# Allegro board FH8858v310_app_board_v1.1.brd
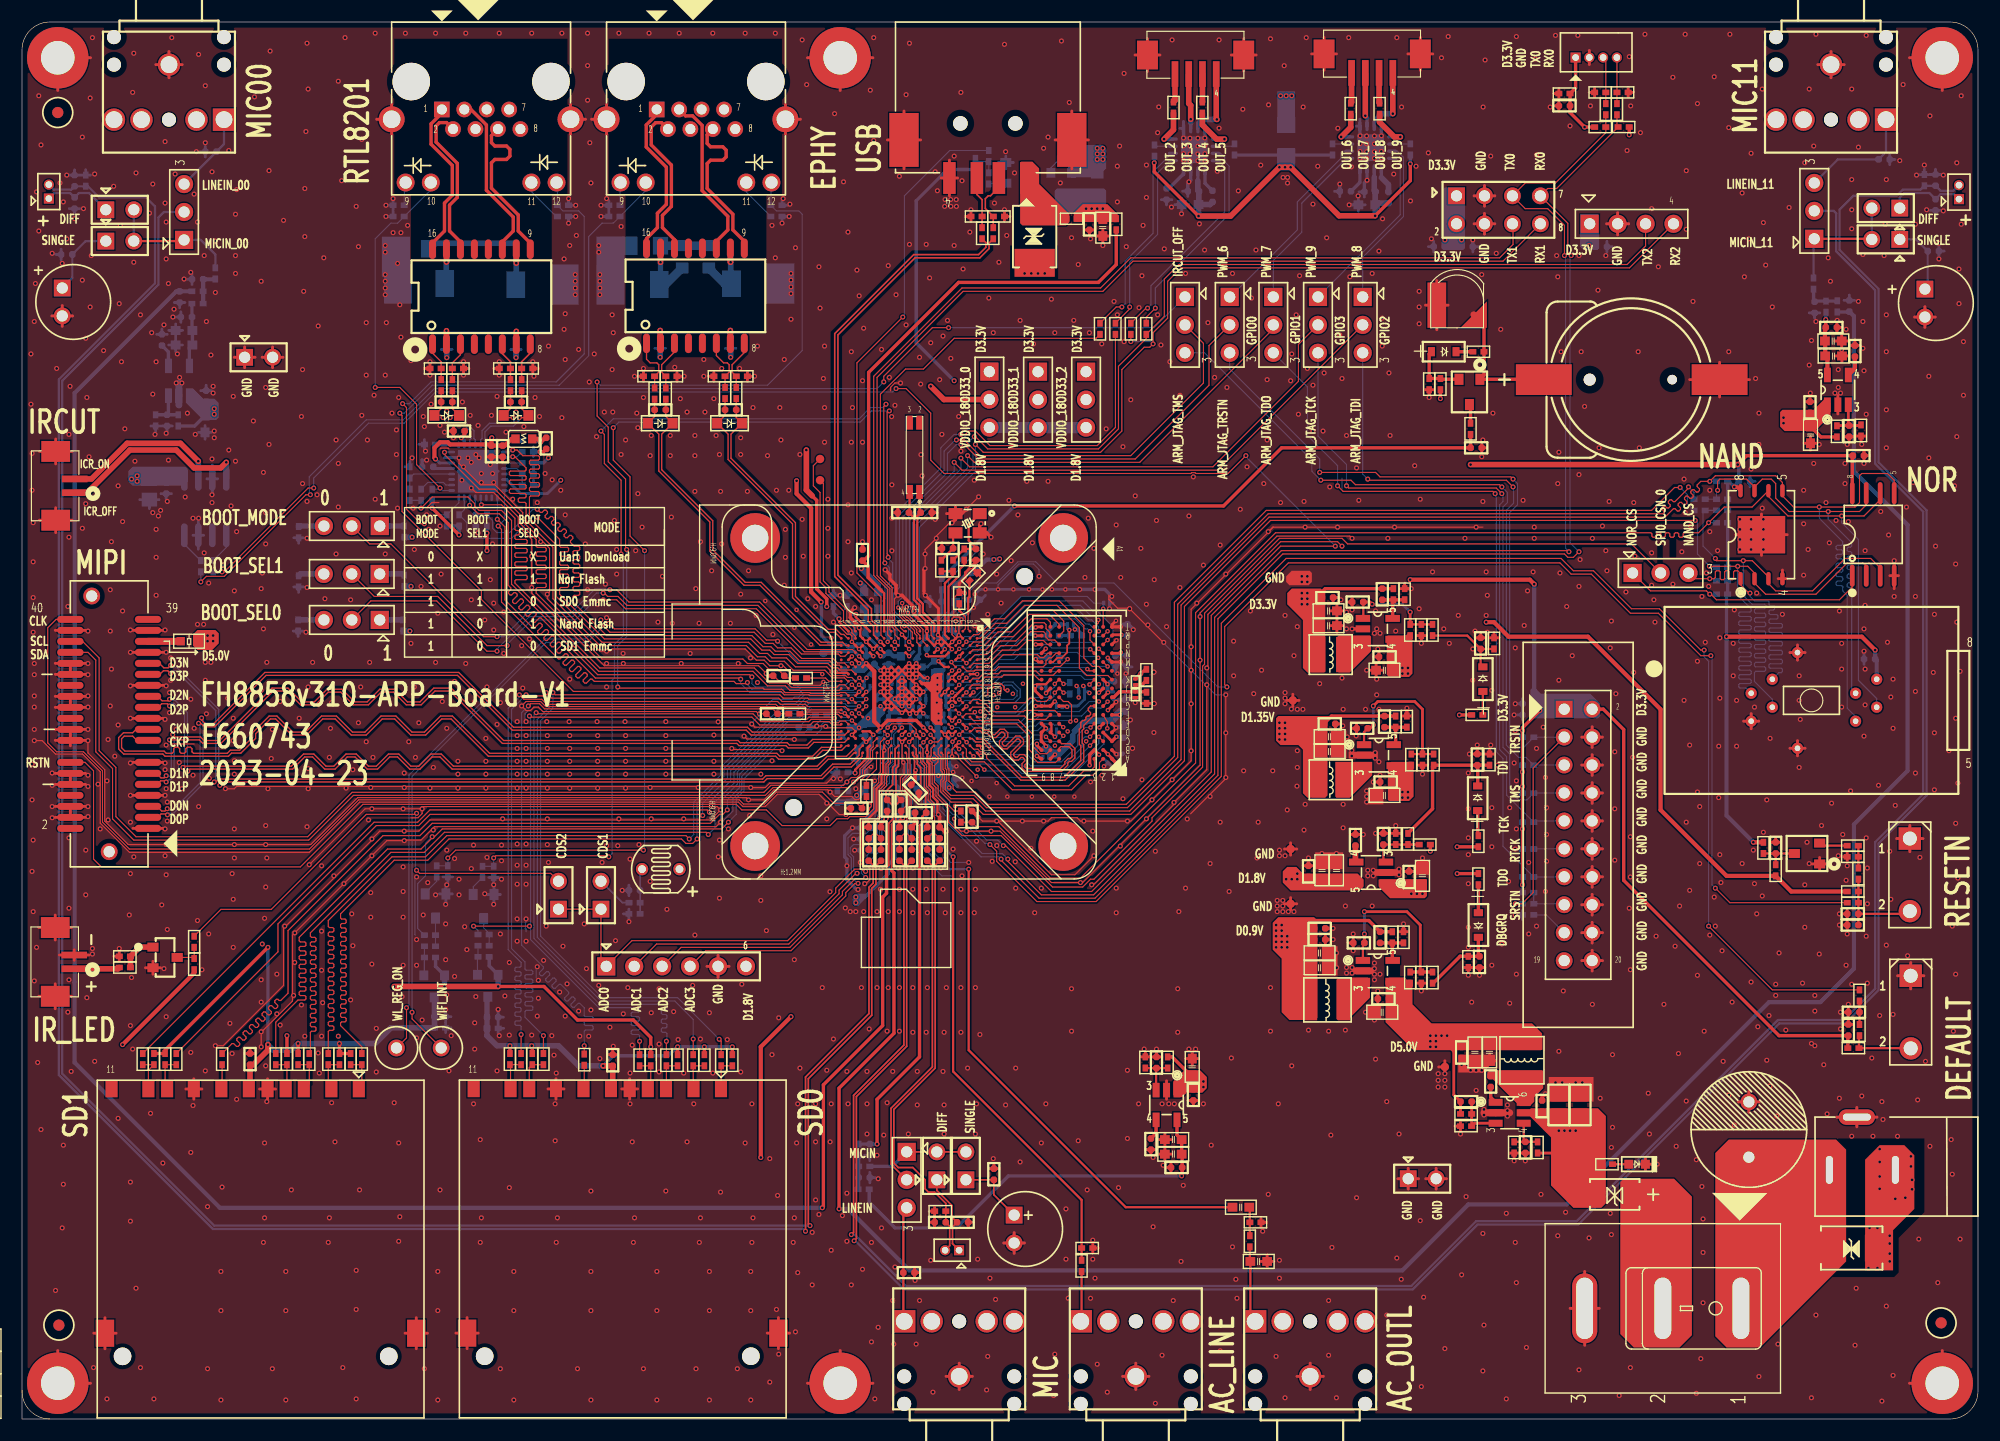
[diagram p0: board, top side]
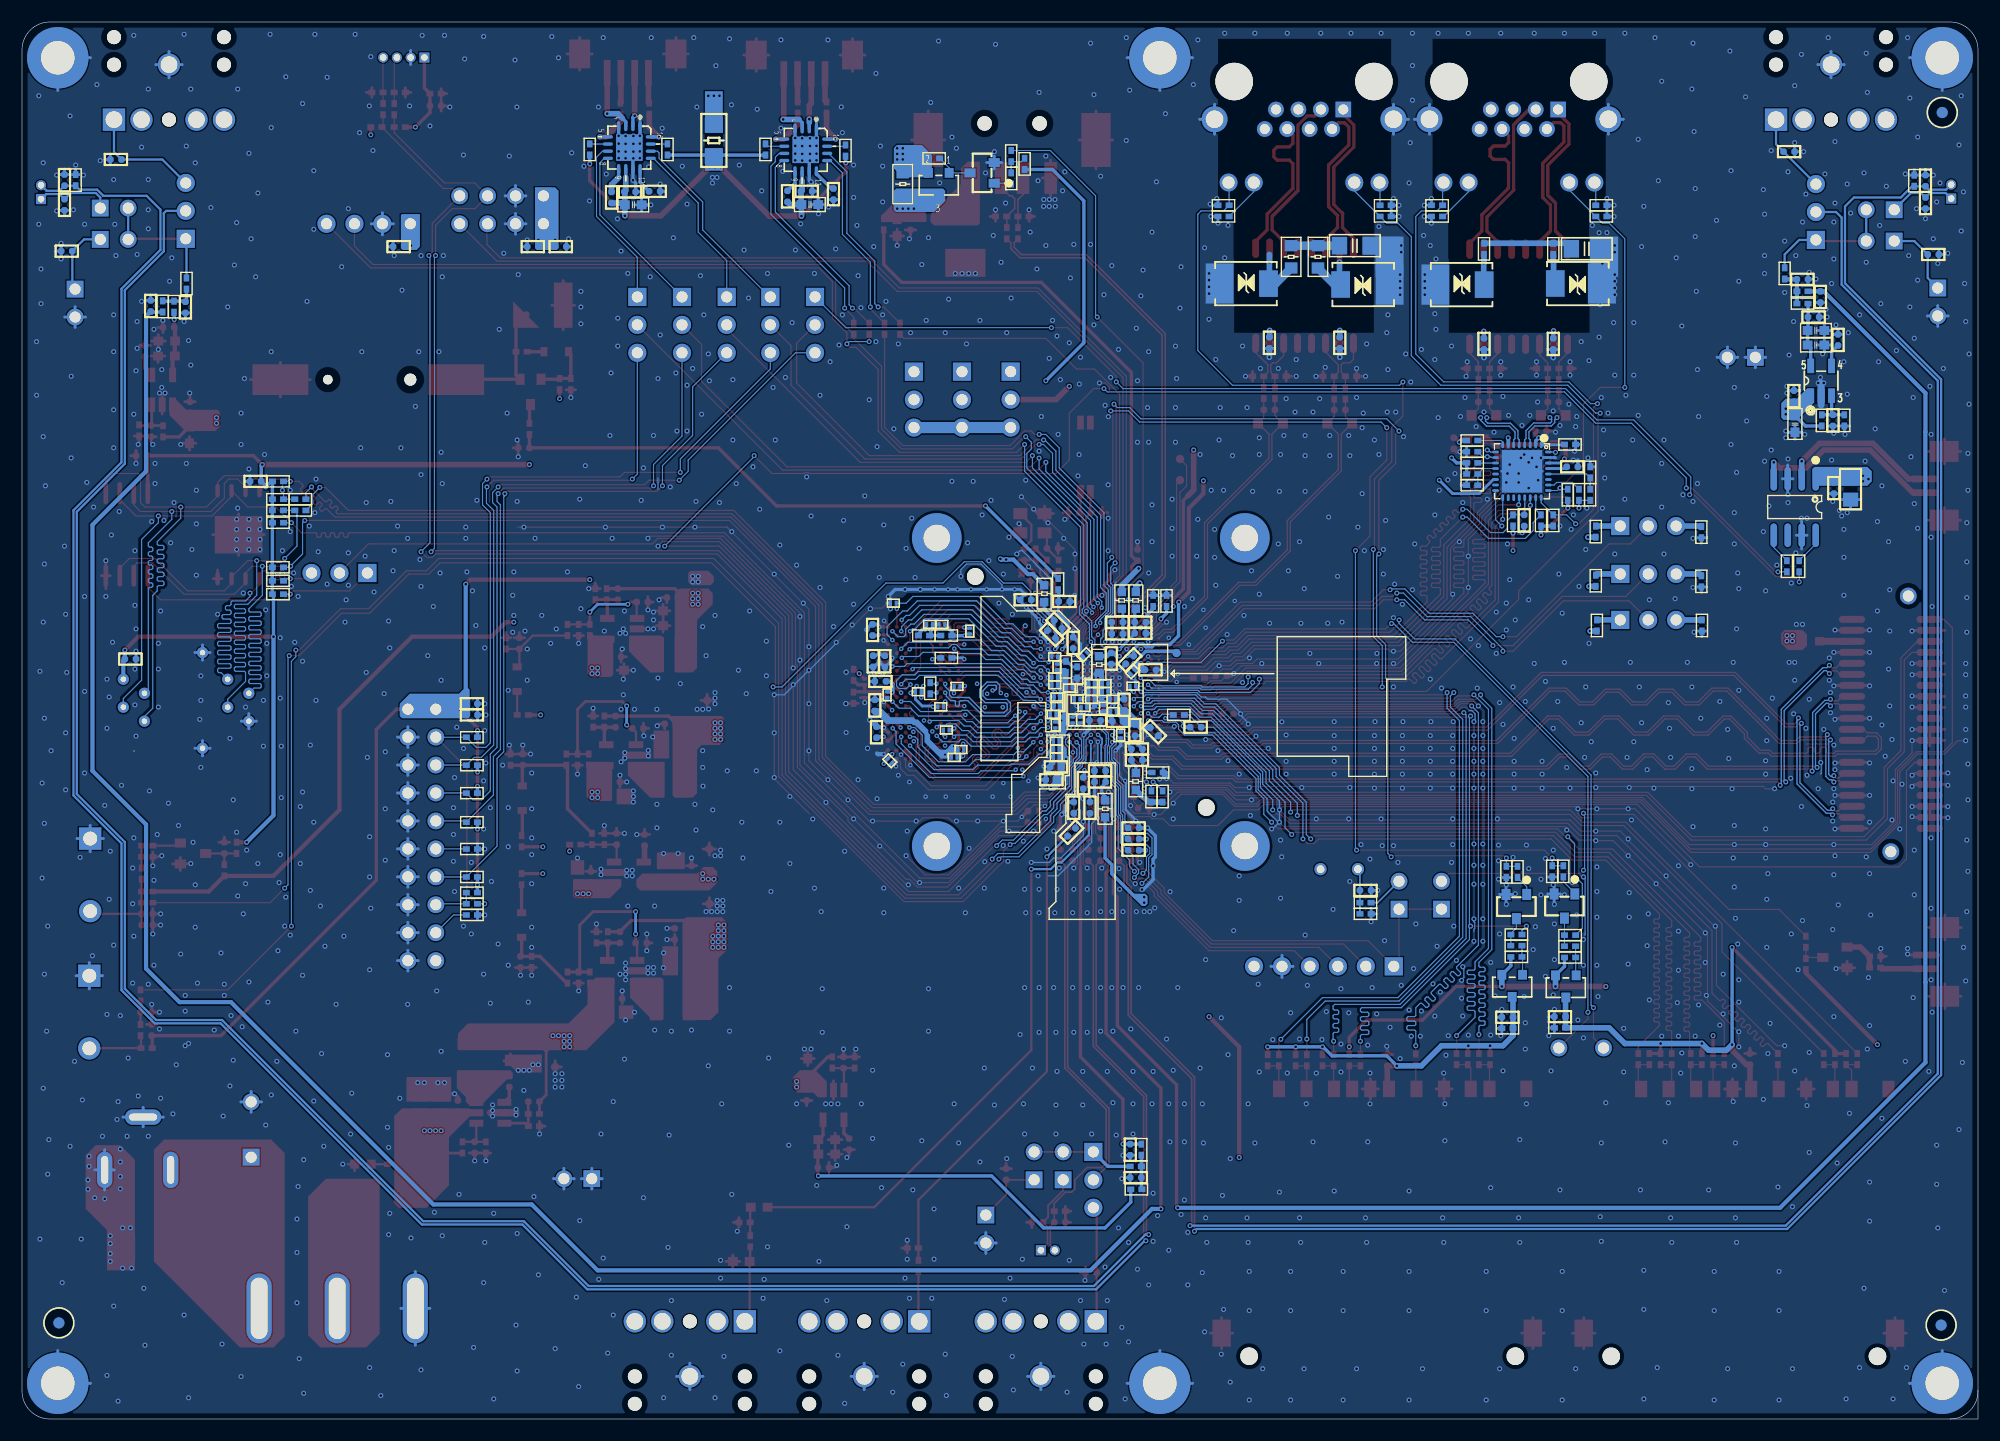
[diagram p1: board, bottom side, seen from below]

Outline 177.8 x 127 mm; copper layers: TOP, L2, L3, BOTTOM. Coordinates in mm from the lower left corner of the outline.
Outline path: 0,2.64 0,0 2.54,0 ; 2.54,0 arc(0.74,0.74) 0,2.54 0,124.46 arc(0.74,126.26) 2.54,127 175.26,127 arc(177.06,126.26) 177.8,124.46 177.8,2.54 arc(177.06,0.74) 175.26,0 2.54,0

## Design rules (mm)
net group DDR_DQS0: nets DDR_DQS0_N DDR_DQS0_P
net group DDR_DQS1: nets DDR_DQS1_N DDR_DQS1_P
net group EPHY_RXN: nets EPHY_RXN N16425817
net group EPHY_RXP: nets EPHY_RXP N16425841
net group EPHY_TXN: nets EPHY_TXN N16425857
net group EPHY_TXP: nets EPHY_TXP N16425869
net group MDI_RN: nets MDI_RN N16420413
net group MDI_RP: nets MDI_RP N16420429
net group MDI_TN: nets MDI_TN N16420441
net group MDI_TP: nets MDI_TP N16420453
net group PHY_R1: nets PHY_RN PHY_RP
net group PHY_R2: nets PHY_RN_16425661 PHY_RP_16425661
net group PHY_T1: nets PHY_TN PHY_TP
net group PHY_T2: nets PHY_TN_16425661 PHY_TP_16425661
net group USBN: nets USB_DM USBN
net group USBP: nets USB_DP USBP

## Placement (name value [footprint] x y rotation side)
BT1  Battery  [BAT-22_8-10]  146.25 94.49 180 top
BT2  XH414HG-IV01E  [IV01E]  130.45 101.6 270 top
C1  100nF/50V  [C0402]  133.5 30.69 90 top
C2  100nF/50V  [C0402]  138.18 28.45 90 top
C3  470uF/35V  [DE10MM-H16]  156.97 26.31 90 top
C4  10uF/25V  [C0805]  139.7 28.55 90 top
C5  10uF/25V  [C0805]  141.63 28.55 90 top
C6  22uF/10V  [C0603]  133.4 33.32 270 top
C7  100nF/50V  [C0402]  130.86 33.32 270 top
C8  20pF/50V  [C0402]  131.27 28.85 0 top
C9  10uF/10V  [C0603]  132.08 33.32 270 top
C10  100nF/50V  [C0402]  136.65 24.69 90 top
C11  10uF/10V  [C0603]  123.85 68.07 0 top
C12  100nF/50V  [C0402]  123.85 69.29 0 top
C13  20pF/50V  [C0402]  123.65 74.98 270 top
C14  22uF/10V  [C0603]  118.76 73.47 0 top
C15  22uF/10V  [C0603]  118.76 72.12 0 top
C16  100nF/50V  [C0402]  118.67 74.68 0 top
C17  10uF/10V  [C0603]  127.3 49.38 270 top
C18  100nF/50V  [C0402]  126.09 49.27 270 top
C19  22uF/6.3V  [C0603]  118.16 49.89 90 top
C20  (*)  [C0402]  121.41 74.27 0 top
C21  22uF/6.3V  [C0603]  119.48 49.89 90 top
C22  100nF/50V  [C0402]  116.94 49.79 90 top
C23  (*)  [C0402]  123.75 52.73 270 top
C24  10nF/50V  [C0402]  121.21 52.63 90 top
C25  10uF/10V  [C0603]  123.85 56.69 0 top
C26  100nF/50V  [C0402]  123.95 57.91 0 top
C27  20pF/50V  [C0402]  123.85 63.4 270 top
C28  22uF/6.3V  [C0603]  118.86 62.03 0 top
C29  22uF/6.3V  [C0603]  118.86 60.69 0 top
C30  100nF/50V  [C0402]  118.87 63.2 0 top
C31  (*)  [C0402]  121.82 62.79 0 top
C32  100nF/50V  [C0402]  132.28 59.95 90 top
C33  100nF/50V  [C0402]  132.49 41.55 270 top
C34  10uF/10V  [C0603]  123.65 36.98 0 top
C35  100nF/50V  [C0402]  123.75 38.2 0 top
C36  20pF/50V  [C0402]  123.44 43.79 270 top
C37  22uF/6.3V  [C0603]  117.95 42.37 0 top
C38  22uF/6.3V  [C0603]  117.95 41.03 0 top
C39  10uF/6.3V  [C0402]  117.96 43.59 0 top
C40  100nF/50V  [C0402]  117.96 44.6 0 top
C41  100nF/50V  [C0402]  121.52 43.28 0 top
C42  10uF/6.3V  [C0402]  76.15 72.44 180 bottom
C43  100nF/50V  [C0402]  76.15 71.42 180 bottom
C44  100nF/6.3V  [C0201]  76.85 67.93 135 bottom
C45  10uF/6.3V  [C0402]  83.62 72.24 45 bottom
C46  10uF/6.3V  [C0402]  82.25 70.56 270 bottom
C47  100nF/6.3V  [C0201]  77.93 62.18 90 bottom
C48  100nF/6.3V  [C0201]  81.58 63.55 270 bottom
C49  10uF/6.3V  [C0402]  78.23 72.44 0 bottom
C50  100nF/50V  [C0402]  84.21 71.34 225 bottom
C51  100nF/50V  [C0402]  78.23 71.37 0 bottom
C52  15pF/50V  [C0402]  75.85 55.52 0 top
C53  10uF/6.3V  [C0402]  79.81 57.91 0 bottom
C54  100nF/50V  [C0402]  79.81 58.93 0 bottom
C55  5.6pF/50V  [C0402]  82.3 53.29 90 top
C56  4.7uF/6.3V  [C0402]  82.3 51.26 270 top
C57  4.7uF/6.3V  [C0402]  83.41 51.26 270 top
C58  5.6pF/50V  [C0402]  83.41 53.29 90 top
C59  100nF/50V  [C0402]  81.68 55.12 180 top
C60  5.6pF/50V  [C0402]  78.08 53.29 90 top
C61  4.7uF/6.3V  [C0402]  78.08 51.25 270 top
C62  4.7uF/6.3V  [C0402]  76.96 51.25 270 top
C63  10uF/6.3V  [C0402]  76.45 59.89 0 bottom
C64  5.6pF/50V  [C0402]  76.96 53.29 90 top
C65  100nF/50V  [C0402]  76.45 60.91 0 bottom
C66  100nF/50V  [C0402]  78.64 55.78 270 top
C67  5.6pF/50V  [C0402]  79.76 53.29 90 top
C68  4.7uF/6.3V  [C0402]  79.76 51.25 270 top
C69  4.7uF/6.3V  [C0402]  80.87 51.25 270 top
C70  5.6pF/50V  [C0402]  80.87 53.29 90 top
C71  100nF/50V  [C0402]  79.91 55.78 270 top
C72  4.7uF/6.3V  [C0402]  82.39 53.36 315 bottom
C73  5.6pF/50V  [C0402]  82.19 55.58 90 bottom
C74  100nF/50V  [C0402]  81.18 57.29 315 top
C75  10uF/6.3V  [C0402]  81.33 57.81 270 bottom
C76  4.7uF/6.3V  [C0402]  80.72 55.57 270 bottom
C77  100nF/50V  [C0402]  83.06 74.32 0 bottom
C78  10pF/50V COG  [C0402]  86.72 78.59 90 top
C79  6.2pF/50V  [C0402]  82.19 82.4 180 top
C80  10pF/50V COG  [C0402]  84.12 79.15 0 top
C81  6.2pF/50V  [C0402]  80.11 82.4 0 top
C82  100nF/6.3V  [C0201]  76.82 66.63 0 bottom
C83  100nF/6.3V  [C0201]  82.3 63.55 270 bottom
C84  100nF/50V  [C0402]  77.11 69.01 315 bottom
C85  100nF/6.3V  [C0201]  81.18 69.49 135 bottom
C86  100nF/50V  [C0402]  75.23 68.11 180 bottom
C87  100nF/50V  [C0402]  78.79 69.14 270 bottom
C88  1uF/6.3V  [C0402]  77.62 64.92 90 bottom
C89  100nF/6.3V  [C0201]  78.59 64.31 0 bottom
C90  100nF/6.3V  [C0201]  79.35 66.14 180 bottom
C91  100nF/6.3V  [C0201]  79.5 64.62 270 bottom
C92  100nF/6.3V  [C0201]  78.64 65.43 180 bottom
C93  100nF/6.3V  [C0201]  80.57 65.43 0 bottom
C94  100nF/6.3V  [C0201]  79.35 66.85 180 bottom
C95  100nF/6.3V  [C0201]  80.57 66.85 0 bottom
C96  100nF/6.3V  [C0201]  80.57 66.14 0 bottom
C97  100nF/50V  [C0402]  80.27 63.5 0 bottom
C98  100nF/6.3V  [C0201]  81.89 65.43 0 bottom
C99  100nF/6.3V  [C0201]  81.26 64.7 0 bottom
C100  100nF/50V  [C0402]  166.93 87.58 180 top
C101  100nF/50V  [C0402]  156.57 85.24 0 bottom
C102  100nF/50V  [C0402]  132.18 88.29 0 top
C103  100nF/50V  [C0402]  53.7 32.62 90 top
C104  100nF/50V  [C0402]  42.78 36.53 0 bottom
C105  100nF/50V  [C0402]  20.73 32.72 90 top
C106  100nF/50V  [C0402]  38 36.58 0 bottom
C107  22uF/10V  [C0603]  106.38 32 270 top
C108  5.6pF/50V  [C0402]  88.34 22.25 90 top
C109  100nF/50V  [C0402]  106.48 29.47 90 top
C110  22uF/6.3V  [C0603]  104.65 25.4 180 top
C111  22uF/6.3V  [C0603]  104.65 24.08 180 top
C112  100nF/50V  [C0402]  104.95 22.86 180 top
C113  4.7uF/6.3V  [C0402]  76.56 21.95 0 bottom
C114  100nF/50V  [C0402]  77.06 24.48 270 bottom
C115  10nF/50V  [C0402]  102.62 24.99 270 top
C116  5.6pF/50V  [C0402]  85.5 17.88 0 top
C117  5.6pF/50V  [C0402]  83.46 17.88 180 top
C118  100nF/50V  [C0402]  103.12 32.41 270 top
C119  5.6pF/50V  [C0402]  80.62 13.31 0 top
C120  22uF/10V  [C0603]  162.57 89.46 90 top
C121  5.6pF/50V  [C0402]  173.74 106.17 0 bottom
C122  100nF/50V  [C0402]  162.53 91.97 270 top
C123  22uF/6.3V  [C0603]  164.67 96.64 0 top
C124  22uF/6.3V  [C0603]  164.65 98 0 top
C125  100nF/50V  [C0402]  164.47 99.24 0 top
C126  4.7uF/6.3V  [C0402]  162.94 101.06 270 bottom
C127  100nF/50V  [C0402]  166.1 101.18 90 bottom
C128  10nF/50V  [C0402]  166.61 97.08 90 top
C129  5.6pF/50V  [C0402]  173.94 110.39 270 bottom
C130  5.6pF/50V  [C0402]  173.94 112.63 90 bottom
C131  100nF/50V  [C0402]  166.09 89.81 90 top
C132  5.6pF/50V  [C0402]  169.27 114.5 0 bottom
C133  22uF/10V  [C0603]  16.64 90.46 90 bottom
C134  5.6pF/50V  [C0402]  4.06 105.87 180 bottom
C135  100nF/50V  [C0402]  16.73 92.99 270 bottom
C136  22uF/6.3V  [C0603]  14.73 98.96 180 bottom
C137  22uF/6.3V  [C0603]  14.73 97.64 180 bottom
C138  100nF/50V  [C0402]  14.94 100.18 180 bottom
C139  4.7uF/6.3V  [C0402]  15.96 103.61 180 bottom
C140  100nF/50V  [C0402]  14.33 102 270 bottom
C141  10nF/50V  [C0402]  12.72 98.1 90 bottom
C142  5.6pF/50V  [C0402]  4.78 110.54 270 bottom
C143  5.6pF/50V  [C0402]  4.78 112.57 90 bottom
C144  100nF/50V  [C0402]  13.19 90.79 90 bottom
C145  5.6pF/50V  [C0402]  17.17 115.21 180 bottom
C146  2.2uF/6.3V  [C0603]  110.79 19.25 0 top
C147  82nF/50V  [C0603]  112.42 14.33 0 top
C148  100nF/50V  [C0402]  140.21 119.38 180 top
C149  100nF/50V  [C0402]  55.67 48.06 180 bottom
C150  100nF/50V  [C0402]  136.91 65.02 0 bottom
C151  100nF/50V  [C0402]  136.9 64.01 180 bottom
C152  10uF/25V  [C0805]  11.58 84.53 270 bottom
C153  100nF/50V  [C0402]  13.11 84.63 270 bottom
C154  4.7pF/50V  [C0402]  58.01 91.74 0 top
C155  4.7pF/50V  [C0402]  64.41 91.74 0 top
C156  100nF/50V  [C0402]  76.76 52.72 180 bottom
C157  100nF/50V  [C0402]  76.76 51.71 180 bottom
C158  100nF/50V  [C0402]  97.03 108.61 270 top
C159  10uF/10V  [C0603]  98.25 108.31 270 top
C160  100nF/50V  [C0402]  166.01 35.36 90 top
C161  100nF/50V  [C0402]  166.52 36.98 180 top
C162  100nF/50V  [C0402]  159.41 51.92 90 top
C163  4.7uF/6.3V  [C0402]  166.42 45.92 180 top
C164  100nF/50V  [C0402]  166.42 44.91 180 top
C165  100nF/50V  [C0402]  58.01 97.84 270 bottom
C166  1nF/2000V  [C1206]  56.64 106.67 0 bottom
C167  100nF/50V  [C0402]  64.41 97.84 270 bottom
C168  100nF/50V  [C0402]  38.61 97.74 270 bottom
C169  1nF/2000V  [C1206]  35.56 106.38 0 bottom
C170  100nF/50V  [C0402]  44.91 97.74 270 bottom
C171  10uF/6.3V  [C0402]  47.65 88.7 270 top
C172  100nF/50V  [C0402]  42.67 87.98 270 top
C173  10uF/6.3V  [C0402]  43.69 87.98 270 top
C174  1uF/10V  [C0402]  39.73 89.81 180 top
C175  1uF/10V  [C0402]  36.88 86.56 180 bottom
C176  100nF/50V  [C0402]  41.25 81.69 90 bottom
C177  15pF/50V  [C0402]  86.36 54.76 90 top
C178  15pF/50V  [C0402]  68.17 64.11 180 top
C179  15pF/50V  [C0402]  68.78 67.56 0 top
C180  15pF/50V  [C0402]  71.12 62.89 180 bottom
C181  10uF/10V  [C0603]  122.24 110.38 0 bottom
C182  100nF/50V  [C0402]  124.21 111.05 270 bottom
C183  100nF/50V  [C0402]  122.53 111.56 0 bottom
C184  100nF/50V  [C0402]  106.48 111.62 0 bottom
C185  10uF/10V  [C0603]  106.18 110.4 0 bottom
C186  2.2uF/50V  [C0402]  104.04 111.35 270 bottom
C187  100nF/50V  [C0402]  108.22 111.15 270 bottom
C188  2.2uF/50V  [C0402]  120.29 111.61 180 bottom
C189  100nF/50V  [C0402]  76.76 53.74 180 bottom
C190  100nF/50V  [C0402]  86.56 74.47 180 bottom
C191  2.2uF/6.3V  [C0402]  78.18 63.42 0 bottom
C192  10uF/6.3V  [C0402]  76.64 62.64 270 bottom
C193  100nF/50V  [C0402]  143.56 106.58 180 bottom
C194  100nF/50V  [C0402]  131.37 106.58 0 bottom
C195  100nF/50V  [C0402]  128.83 106.58 0 bottom
C196  100nF/50V  [C0402]  76.4 78.54 90 top
C197  10pF/50V  [C0402]  38.61 92.46 0 top
C198  10pF/50V  [C0402]  44.91 92.46 0 top
C199  100nF/50V  [C0402]  167.94 69.09 180 bottom
C200  100nF/50V  [C0402]  132.59 70.51 90 top
C299  10uF/10V  [C0402]  74.88 62.48 225 bottom
CN1  Audio  [PHONE_JACK]  85.19 6.38 180 top
CN2  Audio  [PHONE_JACK]  164.44 120.62 0 top
CN3  Audio  [PHONE_JACK]  13.36 120.62 0 top
CN4  Audio  [PHONE_JACK]  101.24 6.38 180 top
CN5  Audio  [PHONE_JACK]  117.09 6.38 180 top
CR1  10nF/6.3V  [C0201]  101.21 67.02 270 top
CR2  10nF/6.3V  [C0201]  83.72 68.38 90 bottom
CR3  100nF/6.3V  [C0201]  83.77 61.62 0 bottom
CR4  10uF/6.3V  [C0402]  83.82 59.28 0 bottom
CR5  100nF/6.3V  [C0201]  84.07 64.06 0 bottom
CR6  100nF/6.3V  [C0201]  83.87 63.09 270 bottom
CR7  10uF/6.3V  [C0402]  84.23 58.12 0 bottom
CR8  100nF/6.3V  [C0201]  83.77 60.91 0 bottom
CR9  100nF/6.3V  [C0201]  83.77 60.2 0 bottom
CR10  100nF/6.3V  [C0201]  82.6 66.45 180 bottom
CR11  100nF/6.3V  [C0201]  83.92 67.46 0 bottom
CR12  100nF/6.3V  [C0201]  83.92 66.75 0 bottom
CR13  100nF/6.3V  [C0201]  83.72 64.77 0 bottom
CR14  100nF/6.3V  [C0201]  83.72 65.63 0 bottom
CR15  10nF/6.3V  [C0201]  101.2 65.85 270 top
CR16  10nF/6.3V  [C0201]  83.92 69.29 0 bottom
CR17  100nF/6.3V  [C0201]  99.16 65.84 270 bottom
CR18  100nF/6.3V  [C0201]  98.91 59.84 225 bottom
CR19  100nF/6.3V  [C0201]  93.78 62.64 0 bottom
CR20  100nF/6.3V  [C0201]  93.07 60.15 180 bottom
CR21  470nF/50V  [C0402]  100.28 64.87 90 bottom
CR22  470nF/50V  [C0402]  99.36 68.88 270 bottom
CR23  1uF/6.3V  [C0402]  100.13 62.44 90 bottom
CR24  100nF/6.3V  [C0201]  92.81 66.6 0 bottom
CR25  100nF/6.3V  [C0201]  96.32 66.12 180 bottom
CR26  100nF/6.3V  [C0201]  94.28 64.74 180 bottom
CR27  100nF/6.3V  [C0201]  91.64 71.63 90 bottom
CR28  10nF/6.3V  [C0201]  94.18 72.24 0 bottom
CR29  100nF/6.3V  [C0201]  92.46 60.86 180 bottom
CR30  1uF/6.3V  [C0402]  99.77 67.06 0 bottom
CR31  1uF/6.3V  [C0402]  100.48 71.73 90 bottom
CR32  10uF/6.3V  [C0402]  100.43 68.88 270 bottom
CR33  10nF/6.3V  [C0201]  95.3 72.24 0 bottom
CR34  10nF/6.3V  [C0201]  98.59 74.17 180 bottom
D1  B250A-13F  [DO-214AC]  144.78 20.42 180 top
D2  SMBJ15CA  [DO-214AA]  166.32 15.54 180 top
D3  LED GREEN  [LED0603]  146.81 23.17 0 top
D4  IN4148WS  [SOD-323]  132.32 56.43 270 top
D5  IN4148WS  [SOD-323]  132.38 44.91 90 top
D6  LBAT54CLT1G  [SOT23]  131.57 93.37 180 top
D7  IN4148WS  [SOD-323]  129.24 97.03 180 top
D8  ESD5431N  [D0402]  140.21 120.5 180 top
D9  ESD5431N  [D0402]  145.49 120.6 180 top
D10  ESD5431N  [D0402]  143.46 120.6 0 top
D11  UDD32C03L01  [SOD323]  38.61 91.24 0 top
D12  GL5537-1  [RGL55]  58.06 49.99 0 top
D13  ESD73011N  [D0402]  88.8 109.32 0 top
D14  ESD73011N  [D0402]  86.77 109.32 0 top
D15  4532-470V/P3100SC  [DO-214AA]  55.89 103.13 0 bottom
D16  4532-470V/P3100SC  [DO-214AA]  66.54 103.22 180 bottom
D17  SMBJ15CA  [DO-214AA]  92.05 107.49 90 top
D18  PGB1010402NR  [D0402]  57 94.79 180 top
D19  ESD5431N  [D0402]  68.58 110.34 180 bottom
D20  UDD32C03L01  [SOD323]  58.02 90.53 0 top
D21  PGB1010402NR  [D0402]  59.03 94.79 0 top
D22  PGB1010402NR  [D0402]  63.4 94.79 180 top
D23  ESD5431N  [D0402]  53.85 109.32 0 bottom
D24  PGB1010402NR  [D0402]  65.43 94.79 0 top
D25  PGB1010402NR  [D0402]  37.59 95.5 180 top
D26  4532-470V/P3100SC  [DO-214AA]  36.37 103.23 0 bottom
D27  PGB1010402NR  [D0402]  39.62 95.5 0 top
D28  PGB1010402NR  [D0402]  43.89 95.5 180 top
D29  PGB1010402NR  [D0402]  45.92 95.5 0 top
D30  ESD5431N  [D0402]  49.17 110.34 180 bottom
D31  ESD5431N  [D0402]  34.24 109.32 0 bottom
D32  UDD32C03L01  [SOD323]  64.32 90.53 0 top
D33  4532-470V/P3100SC  [DO-214AA]  46.94 103.12 180 bottom
D34  UDD32C03L01  [SOD323]  44.91 91.24 0 top
D35  IN4148WS  [SOD-323]  132.79 67.26 270 top
J1  DC005-2.0MM  [DC-3]  164.29 22.64 90 top
J2  MR1-110-C5N-BB  [PS_3PIN-7MM]  149.15 10.06 270 top
J3  MEC1-120-02-F-D-LC  [HEADER20X2_1MM_SMD]  7.92 63.2 180 top
J4  SD Card  [PROCONN_SD]  42.06 5.71 0 top
J5  SD Card  [PROCONN_SD]  9.14 5.7 0 top
J6  GMI6027P-2C44DB  [GMI6027P-2C]  91.19 17.27 270 top
J7  CON2-127MM  [SIP2_127MM]  85.18 15.34 270 top
J8  GMI6027P-2C44DB  [GMI6027P-2C]  173.97 101.45 270 top
J9  CON2-127MM  [SIP2_127MM]  176.07 110.9 180 top
J10  GMI6027P-2C44DB  [GMI6027P-2C]  4.66 101.55 270 top
J11  CON2-127MM  [SIP2_127MM]  2.44 110.95 180 top
J12  1.25T-4PL  [HEADER4_125MM]  141.22 123.77 90 top
J13  1.25T-2-2A  [HEADER2_125MM_SMD]  5.13 41.55 90 top
J14  CON6-254MM  [SIP6_254MM]  53.11 41.15 0 top
J15  1.25T-2-2A  [HEADER2_125MM_SMD]  5.17 84.84 90 top
J16  CON4-254MM  [SIP4_254MM]  142.5 108.66 0 top
J17  RJ45-B-1*1  [RJ45_LED-1]  57.69 119.05 0 top
J18  RJ45-B-1*1  [RJ45_LED-1]  38.16 119.05 0 top
J19  1.25T-2-4A  [HEADER4_125MM_SMD]  106.68 121.89 0 top
J20  1.25T-2-4A  [HEADER4_125MM_SMD]  122.73 121.99 0 top
J21  USB-A  [USBX1_SMD]  88.8 112.82 180 top
JP1  2.54MM Needle  [SIP3_254MM]  32.52 81.18 180 top
JP2  2.54MM Needle  [SIP3_254MM]  32.52 76.82 180 top
JP3  2.54MM Needle  [SIP3_254MM]  32.52 72.64 180 top
JP4  2.54MM Needle  [SIP2_254MM]  126 21.84 0 top
JP5  2.54MM Needle  [SIP2_254MM]  20.24 96.52 0 top
JP7  2.54MM Needle  [SIP3_254MM]  121.87 102.01 270 top
JP9  2.54MM Needle  [SIP3_254MM]  117.81 102.01 270 top
JP10  2.54MM Needle  [SIP3_254MM]  105.71 102.01 270 top
JP11  2.54MM Needle  [SIP3_254MM]  109.78 102.01 270 top
JP12  2.54MM Needle  [SIP3_254MM]  113.74 102.01 270 top
JP13  2.54MM Needle  [SIP3_254MM]  87.93 95.22 270 top
JP14  2.54MM Needle  [SIP3_254MM]  146.41 76.91 0 top
JP15  2.54MM Needle  [SIP2_254MM]  85.8 21.74 90 top
JP16  2.54MM Needle  [SIP2_254MM]  83.16 21.74 90 top
JP17  2.54MM Needle  [SIP3_254MM]  80.42 24.28 270 top
JP18  2.54MM Needle  [SIP2_254MM]  170.69 107.24 180 top
JP19  2.54MM Needle  [SIP2_254MM]  170.69 110.08 180 top
JP20  2.54MM Needle  [SIP3_254MM]  162.92 107.29 90 top
JP21  2.54MM Needle  [SIP2_254MM]  7.62 107.09 0 top
JP22  2.54MM Needle  [SIP2_254MM]  7.62 109.93 0 top
JP23  2.54MM Needle  [SIP3_254MM]  14.73 107.19 90 top
JP29  2.54MM Needle  [SIP2_254MM]  52.63 46.35 90 top
JP30  2.54MM Needle  [SIP2_254MM]  48.77 46.35 90 top
JP40  2.54MM Needle  [SIP3_254MM]  92.35 95.21 270 top
JP41  2.54MM Needle  [SIP3_254MM]  96.72 95.21 270 top
L1  WPN4020H4R7MT  [L4X4H3]  136.35 32.61 90 top
L2  SWPA3015S4R7MT  [L3X3H15]  118.96 69.49 180 top
L3  SWPA3015S4R7MT  [L3X3H15]  118.96 58.12 180 top
L4  WPN4020H2R2MT  [L4X4H3]  118.67 38.1 180 top
L5  PZ1608D121-1R0TF  [B0603]  45.62 89.1 0 top
MQ1  AF2301P  [SOT_23]  42.34 38.38 180 bottom
MQ2  AF2301P  [SOT_23]  37.46 38.32 180 bottom
MQ3  AF2301P  [SOT_23]  94.46 111.27 180 bottom